# Altium PCB LF_Light_BluClassic.PcbDoc (part 1 of 2) (continued)
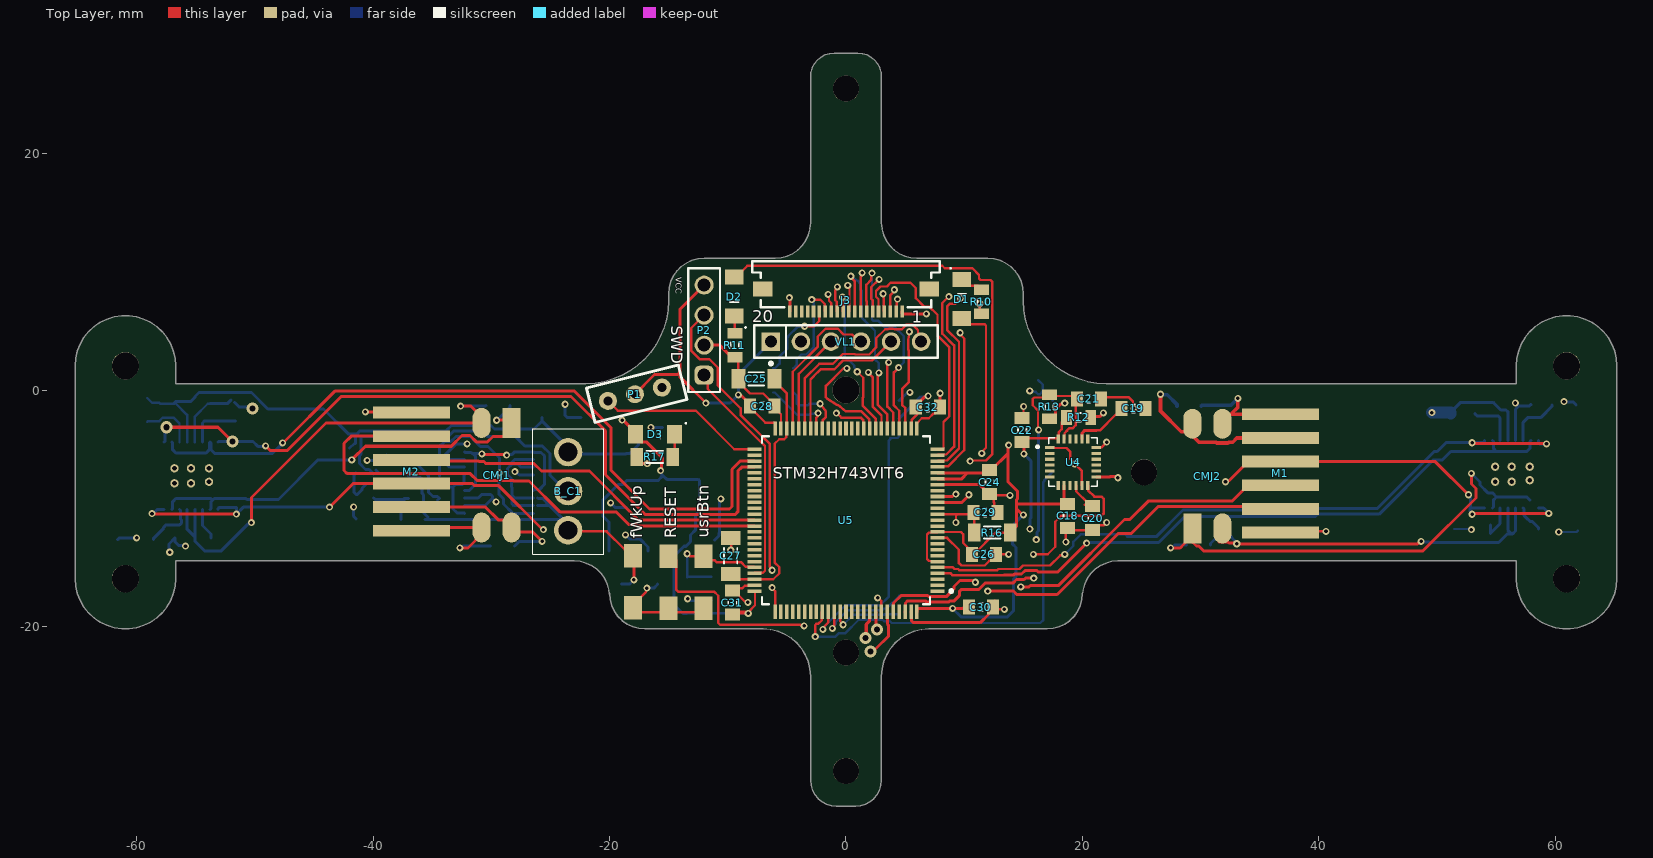
[diagram p0: Top Layer view]
## Design rules (kind name [scope] priority, off if disabled: settings) (continued)
PolygonConnect PolygonConnect_10mil [HasFootprint('D0603') or HasFootprint('0402') or HasFootprint('D0603R') or HasFootprint('D0603G') or HasFootprint('D0603B') or HasFootprint('D0603Y') or HasFootprint('0402R') or HasFootprint('0402C')] p10: connectstyle=Relief reliefconductorwidth=0.254 reliefentries=4 polygonreliefangle="90 Angle" airgapwidth=0.254
PolygonConnect PolygonConnect_NoConnect [HasFootprint('SFT01') or HasFootprint('SW-2') or HasFootprint('SW-4') or HasFootprint('SW-6') or HasFootprint('SW-8') or HasFootprint('SOT-223') or HasFootprint('SOT-223_')] p11: connectstyle=NoConnect reliefconductorwidth=0.381 reliefentries=4 polygonreliefangle="90 Angle" airgapwidth=0.254
PolygonConnect [All] p12: connectstyle=Relief reliefconductorwidth=0.508 reliefentries=4 polygonreliefangle="90 Angle" airgapwidth=0.254
RoutingVias [All] p1: holewidth=0.508 width=1.016 viastyle="Through Hole" minholewidth=0.3 minwidth=0.6 maxholewidth=3 maxwidth=4
SilkToSilkClearance [All] p1: silktosilkclearance=0.025
SilkToSolderMaskClearance SilkscreenOverComponentPads [IsPad] p1: minsilkscreentomaskgap=0.025 clearancetoexposedcopper=TRUE
SolderMaskExpansion [All] p1: expansion=0.025 istentingtop=FALSE
Width Width_Ramka [HasFootprint('hole_frame') or HasFootprint('hole_frame1') or HasFootprint('Designator_blacking_B&T1') or HasFootprint('Designator_blacking_B&T2') or HasFootprint('Designator_blacking_B&T3') or HasFootprint('Designator_blacking_B&T4') or HasFootprint('Designator_blacking_B&T5')] p1: maxlimit=2.6 minlimit=0.254 preferedwidth=0.254
Width [All] p2: maxlimit=2.54 minlimit=0.203 preferedwidth=0.254
21 further rules are at their usual default settings.

## Classes and differential pairs
component class "Power input": B_C1 C1 C2 C3 C4 C5 C6 fWkUp IC1 J1 J2 R1 R2 R3 R4 U1
net class ADC1_[0..11]: ADC1_0 ADC1_1 ADC1_2 ADC1_3 ADC1_4 ADC1_5 ADC1_6 ADC1_7 ADC1_8 ADC1_9 ADC1_10 ADC1_11
component class "Motor Drivers": C7 C8 C9 C10 C11 C12 C13 C14 C15 C16 CMJ1 CMJ2 M1 M2 R5 R6 R7 R8 U2 U3
component class Microcontroller: C24 C25 C26 C27 C28 C29 C30 C31 C32 D3 P2 R14 R15 R16 R17 RESET U5
component class Peripherials: BluC1 C17 C18 C19 C20 C21 C22 C? D1 D2 J3 P1 R9 R10 R11 R12 R13 R? U4 usrBtn VL1

## Components (designator, comment, footprint, x,y, rotation, side; value= is the part's Value field where it differs from the comment)
B_C1 "Battery_Connector" WTYCZKANABATERIE -23.5,-8.55 r90 top
BluC1 "BLUETOOTH-SERIAL-HC-06" XCVR_BLUETOOTH-SERIAL-HC-06 11,-12.4 r0 bottom locked
C1 "100n" 0805C -41.45,-10.85 r90 bottom
C2 "100n" 0805C -37.382,-10.75 r0 bottom
C3 "100n" 0805C -17.55,-3.15 r0 bottom
C4 "47u-10V" 3528-SMDB -25.702,-2.3 r0 bottom
C5 "47u-10V" 3528-SMDB -20.05,-13.6 r0 bottom
C6 "100n" 0805C -13.15,-12.7 r0 bottom
C7 "470n" 0805C -28.4,-1.3 r180 bottom
C8 "470n" 0805C -28.018,-13.2 r180 bottom
C9 "2u2-6V3" 0805C -51.7,-3.082 r90 bottom
C10 "100n" 0805C -59.1,-2.7 r90 bottom
C11 "10u-16V" 3216-SMDA -56.85,-1.15 r0 bottom
C12 "470n" 0805C 28.8,-13.1 r0 bottom
C13 "470n" 0805C 28,-1.35 r0 bottom
C14 "2u2-6V3" 0805C 59.718,-1.25 r0 bottom
C15 "100n" 0805C 53.182,-2 r180 bottom
C16 "10u-16V" 3216-SMDA 54.9,-1.2 r0 bottom
C17 "100n" 0805C -11.4,-15.8 r270 bottom
C18 "100n" 0805C 18.75,-9.618 r270 top
C19 "2n2" 0805C 23.3,-1.55 r0 top
C20 "100n" 0805C 20.85,-9.818 r270 top
C21 "22p" 0805C 19.518,-0.75 r0 top
C22 "22p" 0805C 14.9,-4.4 r90 top
C24 "100n" 0805C 12.15,-6.768 r270 top
C25 "2.2uF" 1206C -9.1,0.95 r0 top
C26 "100n" 0805C 10.668,-13.9 r0 top
C27 "2.2uF" 1206C -9.75,-12.502 r270 top
C28 "100n" 0805C -8.1,-1.35 r0 top
C29 "100n" 0805C 10.768,-10.35 r0 top
C30 "100n" 0805C 10.4,-18.35 r0 top
C31 "100n" 0805C -9.6,-19 r90 top
C32 "100n" 0805C 5.9,-1.45 r0 top
CMJ1 "CMJ2101" CMJ2101 -29.55,-7.2 r270 top
CMJ2 "CMJ2101" CMJ2101 30.57,-7.275 r90 top
D1 "n.m." D1206 9.8,9.35 r270 top
D2 "n.m." D1206 -9.45,6.248 r90 top
D3 "n.m." D1206 -14.5,-3.75 r180 top
fWkUp "Switch" TactSwitch4_2 -18,-16.2 r0 top (schematic designator S1)
IC1 "TC2120" SOT23-6 -35.7,-8.2 r270 bottom
J1 "8205A" TSSOP8 -29.35,-9.45 r180 bottom
J2 "8205A" TSSOP8 -29.35,-6.2 r180 bottom
J3 "Line Sensor module communication connector" 687120183722 0,8.95 r180 top locked
M1 "POLOLU_Motor1" PCBCOMPONENT_1 56.75,-6.55 r0 top locked
M2 "POLOLU_Motor2" PCBCOMPONENT_1 -56.75,-7.4 r180 top locked
P1 "Receiver IR TSOP2236" TSOP2236FP -20.13,-0.919 r14 top
P2 "SWD Debug probe" 61300411121 -12,5.07 r90 top
R1 "n.m" 1206R -19,-16.4 r0 bottom
R2 "330R-1%" 0805R -42,-4.9 r270 bottom
R3 "330R-1%" 0805R -39.95,-7.1 r270 bottom
R4 "2k-1%" 0805R -38.85,-5.6 r0 bottom
R5 "0.1" 1206R -53.7,-12.5 r180 bottom
R6 "0.1" 1206R -58.552,-12.65 r180 bottom
R7 "0.1" 1206R 58.85,-11.9 r0 bottom
R8 "0.1" 1206R 54.5,-11.75 r180 bottom
R9 "10k-1%" 1206R -13.45,-18.898 r90 bottom
R10 "3k-1%" 0805R 11.45,8.5 r270 top
R11 "3k-1%" 0805R -9.4,4.8 r270 top
R12 "3k-1%" 0805R 20.682,-2.3 r180 top
R13 "3k-1%" 0805R 17.2,-2.432 r90 top
R14 "10k-1%" 0805R -4.45,-0.182 r90 bottom
R15 "10k-1%" 0805R -6.15,1.832 r270 bottom
R16 "10k-1%" 1206R 13.9,-12.05 r180 top
R17 "470R-1%" 1206R -14.65,-5.65 r180 top
RESET "Switch" TactSwitch4_2 -15,-16.25 r0 top (schematic designator S3)
U1 "LM1117MP-3.3/NOPB" DCY0004A_L -15.475,-7.65 r0 bottom locked
U2 "DRV8833PWPBYT" DRV8833PWPBYTEOR -55.4,-7.25 r90 bottom
U3 "DRV8833PWPBYT" DRV8833PWPBYTEOR 56.3,-7.115 r90 bottom
U4 "MPU-6050" QFN50P400X400X95-24N 19.2,-6.1 r0 top
U5 "STM32H743VIT6" FP-LQFP100-1L-MFG 0,-11 r180 top locked
usrBtn "Switch" TactSwitch4_2 -12.05,-16.25 r0 top (schematic designator S2)
VL1 "VL53L0X_Conn" FP-22-28-4060-MFG 0,4.1 r0 top locked

## Footprints (in the part's own frame and the unit in brackets; to place one, negate y for a bottom-side part, rotate by r counter-clockwise, add the part's x,y. Pads: shape width x height; smd on the part's side, far side on the other; paste and mask are expansions set on the pad)
0805C [mil]
  rect 40x50 smd mask+1: 1(0,0) 2(80,0)
  silkscreen extent 35,-14 45,14, body extent -1,-27 81,27, height 53
0805R [mil]
  rect 35x50 smd mask+1: 1(0,0) 2(80,0)
  silkscreen extent 31,-14 49,14, body extent 1,-25 79,25, height 23
1206C [mil]
  rect 47x64 smd mask+1: 1(0,0) 2(120,0)
  silkscreen extent 34,-22 86,22, body extent -3,-33 123,33, height 67
1206R [mil]
  rect 42x60 smd mask+1: 1(0,0) 2(120,0)
  silkscreen extent 32,-20 88,20, body extent -3,-31 123,31, height 24
3216-SMDA [mil]
  rect 62x48 smd mask+1: 1(0,0) 2(120,0)
  silkscreen extent -39,-49 46,21, body extent -7,-32 127,31, height 65
3528-SMDB [mil]
  rect 64x90 smd mask+1: 1(0,0) 2(130,0)
  silkscreen extent -39,-69 47,33, body extent -8,-58 138,58, height 80
61300411121 [mm] "Pin Header, pitch 2.54 mm, THT, Vertical, single row, 4p"
  rrect50% 1.6x1.6 hole 1.1: 1(-3.81,0)
  round 1.6 hole 1.1: 2(-1.27,0) 3(1.27,0) 4(3.81,0)
  silkscreen extent -5.23,-1.35 5.23,1.35, body extent -5.08,-1.27 5.08,1.27, height 8.57
687120183722 [mm] "ZIF Connectors, Horizontal, Bottom Contact Low Profile, pitch 0.5mm, 20p"
  rect 0.3x1 smd: 1(-4.75,2.3) 2(-4.25,2.3) 3(-3.75,2.3) 4(-3.25,2.3) 5(-2.75,2.3) 6(-2.25,2.3) 7(-1.75,2.3) 8(-1.25,2.3) 9(-0.75,2.3) 10(-0.25,2.3) 11(0.25,2.3) 12(0.75,2.3) 13(1.25,2.3) 14(1.75,2.3) 15(2.25,2.3) 16(2.75,2.3) 17(3.25,2.3) 18(3.75,2.3) 19(4.25,2.3) 20(4.75,2.3)
  rect 1.65x1.3 smd: MP1(-7.025,0.4) MP2(7.025,0.4)
  silkscreen extent -7.92,-1.95 7.93,1.95, body extent -7.85,-1.9 7.85,2.35, height 1.28
CMJ2101 [mil]
  rect 100x60 smd: 1(-174.2,50)
  oval 100x60 smd: 2(-174.2,-50) 3(174.2,-50) 4(174.2,50)
  body extent -169,-87 163,94, height 197
D1206 [mil]
  rect 50x62 smd mask+1: 1(0,0) 2(130,0)
  silkscreen extent -39,-39 48,14, body extent 2,-31 128,32, height 43
DCY0004A_L [mm] "SOT223, 4-Leads, Body 6.7x3.7mm, Pitch 2.3mm, IPC High Density"
  rrect11% 1.45x0.9 smd: 1(-3.075,2.3) 2(-3.075,0) 3(-3.075,-2.3)
  rrect7% 1.45x3.15 smd: 4(3.075,0)
  silkscreen extent -3.2,-3.35 2.05,3.42, body extent -3.5,-3.25 3.5,3.25, height 1.62
DRV8833PWPBYTEOR [mm]
  rrect25% 1.2x0.4 smd: 1(-2.85,2.275) 2(-2.85,1.625) 3(-2.85,0.975) 4(-2.85,0.325) 5(-2.85,-0.325) 6(-2.85,-0.975) 7(-2.85,-1.625) 8(-2.85,-2.275) 9(2.85,-2.275) 10(2.85,-1.625) 11(2.85,-0.975) 12(2.85,-0.325) 13(2.85,0.325) 14(2.85,0.975) 15(2.85,1.625) 16(2.85,2.275)
  round 0.7 hole 0.4: 17(-0.635,-1.397) 17(-0.635,0) 17(-0.508,1.524) 17(0.635,-1.397) 17(0.635,0) 17(0.635,1.524)
  rrect50% 2.5x4.5 smd: 17(0,0)
  silkscreen extent -2.92,-2.54 1.65,3.17, body extent -3.21,-2.5 3.21,2.5, height 0.98
FP-22-28-4060-MFG [mm]
  rect 1.57x1.57 hole 1.02 paste-1000 mask+0: 1(-6.35,0)
  round 1.57 hole 1.02 paste-1000 mask+0: 2(-3.81,0) 3(-1.27,0) 4(1.27,0) 5(3.81,0) 6(6.35,0)
  silkscreen extent -7.75,-1.97 7.75,1.37, body extent -7.85,-1.47 7.85,1.47, height 0.25
FP-LQFP100-1L-MFG [mm]
  rect 1.2x0.3 smd paste+0 mask+0: 1(-7.75,6) 2(-7.75,5.5) 3(-7.75,5) 4(-7.75,4.5) 5(-7.75,4) 6(-7.75,3.5) 7(-7.75,3) 8(-7.75,2.5) 9(-7.75,2) 10(-7.75,1.5) 11(-7.75,1) 12(-7.75,0.5) 13(-7.75,0) 14(-7.75,-0.5) 15(-7.75,-1) 16(-7.75,-1.5) 17(-7.75,-2) 18(-7.75,-2.5) 19(-7.75,-3) 20(-7.75,-3.5) 21(-7.75,-4) 22(-7.75,-4.5) 23(-7.75,-5) 24(-7.75,-5.5) 25(-7.75,-6) 51(7.75,-6) 52(7.75,-5.5) 53(7.75,-5) 54(7.75,-4.5) 55(7.75,-4) 56(7.75,-3.5) 57(7.75,-3) 58(7.75,-2.5) 59(7.75,-2) 60(7.75,-1.5) 61(7.75,-1) 62(7.75,-0.5) 63(7.75,0) 64(7.75,0.5) 65(7.75,1) 66(7.75,1.5) 67(7.75,2) 68(7.75,2.5) 69(7.75,3) 70(7.75,3.5) 71(7.75,4) 72(7.75,4.5) 73(7.75,5) 74(7.75,5.5) 75(7.75,6)
  rect 0.3x1.2 smd paste+0 mask+0: 26(-6,-7.75) 27(-5.5,-7.75) 28(-5,-7.75) 29(-4.5,-7.75) 30(-4,-7.75) 31(-3.5,-7.75) 32(-3,-7.75) 33(-2.5,-7.75) 34(-2,-7.75) 35(-1.5,-7.75) 36(-1,-7.75) 37(-0.5,-7.75) 38(0,-7.75) 39(0.5,-7.75) 40(1,-7.75) 41(1.5,-7.75) 42(2,-7.75) 43(2.5,-7.75) 44(3,-7.75) 45(3.5,-7.75) 46(4,-7.75) 47(4.5,-7.75) 48(5,-7.75) 49(5.5,-7.75) 50(6,-7.75) 76(6,7.75) 77(5.5,7.75) 78(5,7.75) 79(4.5,7.75) 80(4,7.75) 81(3.5,7.75) 82(3,7.75) 83(2.5,7.75) 84(2,7.75) 85(1.5,7.75) 86(1,7.75) 87(0.5,7.75) 88(0,7.75) 89(-0.5,7.75) 90(-1,7.75) 91(-1.5,7.75) 92(-2,7.75) 93(-2.5,7.75) 94(-3,7.75) 95(-3.5,7.75) 96(-4,7.75) 97(-4.5,7.75) 98(-5,7.75) 99(-5.5,7.75) 100(-6,7.75)
  silkscreen extent -9.03,-7.1 7.1,7.1, body extent -8.45,-8.45 8.45,8.45, height 0.25
PCBCOMPONENT_1 [mm]
  rect 6.5x1 smd: 1(-20,-5.5) 2(-20,-3.5) 3(-20,-1.5) 4(-20,0.5) 5(-20,2.5) 6(-20,4.5)
  body extent -21.75,-15.4 25.19,14.6, height 19.75
QFN50P400X400X95-24N [mm]
  rect 0.79x0.26 smd: 1(-1.97,1.25) 2(-1.97,0.75) 3(-1.97,0.25) 4(-1.97,-0.25) 5(-1.97,-0.75) 6(-1.97,-1.25) 13(1.97,-1.25) 14(1.97,-0.75) 15(1.97,-0.25) 16(1.97,0.25) 17(1.97,0.75) 18(1.97,1.25)
  rect 0.26x0.79 smd: 7(-1.25,-1.97) 8(-0.75,-1.97) 9(-0.25,-1.97) 10(0.25,-1.97) 11(0.75,-1.97) 12(1.25,-1.97) 19(1.25,1.97) 20(0.75,1.97) 21(0.25,1.97) 22(-0.25,1.97) 23(-0.75,1.97) 24(-1.25,1.97)
  silkscreen extent -3.1,-2.05 2.05,2.05
SOT23-6 [mm]
  rect 0.55x1.2 smd: 1(-0.95,-1.3) 2(0,-1.3) 3(0.95,-1.3) 4(0.95,1.3) 5(0,1.3) 6(-0.95,1.3)
  silkscreen extent -1.42,-0.81 1.42,0.81
TactSwitch4_2 [mm]
  rect 1.524x2 smd: 1(0,2.2) 2(0,-2.2)
  body extent -1.4,-2 1.4,2, height 3
TSOP2236FP [mil]
  round 60 hole 30: 1(0,0) 2(92.52,0) 3(185.04,0)
  silkscreen extent -59,-59 256,59
TSSOP8 [mm]
  rect 1.2x0.35 smd: 1(-2.925,0.975) 2(-2.925,0.325) 3(-2.925,-0.325) 4(-2.925,-0.975) 5(2.925,-0.975) 6(2.925,-0.325) 7(2.925,0.325) 8(2.925,0.975)
  silkscreen extent -2.15,-1.4 2.15,1.4
WTYCZKANABATERIE [mm]
  round 2.4 hole 1.6: 1(3.302,0) 2(0,0) 3(-3.302,0)
  silkscreen extent -5.33,-3 5.3,3
XCVR_BLUETOOTH-SERIAL-HC-06 [mm]
  rect 1x1 smd: 1(-6.5,6.5) 2(-6.5,5) 3(-6.5,3.5) 4(-6.5,2) 5(-6.5,0.5) 6(-6.5,-1) 7(-6.5,-2.5) 8(-6.5,-4) 9(-6.5,-5.5) 10(-6.5,-7) 11(-6.5,-8.5) 12(-6.5,-10) 13(-6.5,-11.5) 14(-5.25,-13.25) 15(-3.75,-13.25) 16(-2.25,-13.25) 17(-0.75,-13.25) 18(0.75,-13.25) 19(2.25,-13.25) 20(3.75,-13.25) 21(5.25,-13.25) 22(6.5,-11.5) 23(6.5,-10) 24(6.5,-8.5) 25(6.5,-7) 26(6.5,-5.5) 27(6.5,-4) 28(6.5,-2.5) 29(6.5,-1) 30(6.5,0.5) 31(6.5,2) 32(6.5,3.5) 33(6.5,5) 34(6.5,6.5)
  silkscreen extent -7.6,-13.25 6.5,13.45, body extent -6.48,-13.21 6.48,13.46, height 2

## Part data
BluC1: "Bluetooth Modules (802.15.1) BLUETOOTH-SERIAL-HC-06", Package=None, Availability="Not in stock", Check_prices=https://www.snapeda.com/parts/BLUETOOTH-SERIAL-HC-06/Olimex/view-part/?ref=eda, MF=Olimex, MP=BLUETOOTH-SERIAL-HC-06, Price=None, SnapEDA_Link=https://www.snapeda.com/parts/BLUETOOTH-SERIAL-HC-06/Olimex/view-part/?ref=snap
C1 C2 C3 C6 C7 C8 C10 C12 C13 C15 C17 C18 C20 C29: library part "100n  0805", "Kond. ceramiczny X7R  50V  10%", Indeks=5566, Nazwa=100n
C4 C5: library part "47u-10V  3528", "Kond. tantalowy  B  10V  20%", Indeks=4032, Nazwa=47u-10V
C9 C14: library part "2u2-6V3  0805", "Kond. ceramiczny X7R  6V3  10%", Indeks=20978, Nazwa=2u2-6V3
C11 C16: library part "10u-16V  3216", "Kond. tantalowy  A  16V  20%", Indeks=12471, Nazwa=10u-16V
C19: library part "2n2  0805", "Kond. ceramiczny X7R  50V  10%", Nazwa=2n2
C21 C22: library part "22p  0805", "Kond. ceramiczny NP0  50V", Nazwa=22p
C24 C26 C28 C30 C31 C32: library part "10n  0805", "Kond. ceramiczny X7R  50V  10%", Nazwa=10n
C25 C27: library part Cap_2.2uF_X7R_10%_1206, "Capacitor,2.2uF,16V, X7R,10%,1206,YAGEO", Manuf_1=YAGEO, Manuf_2=KEMET, Manuf_Part_1=CC1206KKX7R7BB225, Manuf_Part_2=C1206C225K4RAC, ECCN_US/EU=n/a, Order=CC1206KKX7R7BB225, Revision="July-2002: Re-released for DXP Platform."
D1 D2 D3: library part "n.m.  D1206", "Dioda LED", Index=-, Nazwa=n.m.
fWkUp RESET usrBtn: library part TactSwitch
IC1: "Pushbutton Switch SPST-NC Standard Panel Mount, Front", Package="Package Analog Devices", Availability=Unavailable, ComponentLink1Description=https://abc-rc.pl/pl/products/modul-bms-pcm-pcb-ladowania-i-ochrony-ogniw-li-ion-2s-8-4v-5a-18650-7891.html, ComponentLink1URL="Taken directly from this component", MF="Fortune Semiconductor", MP=DW01A, Price=None, SnapEDA_Link=https://www.snapeda.com/parts/DW01A/Fortune%20Semiconductor/view-part/4388554/?ref=snap
J1 J2: Package=None, Availability="In Stock", Check_prices=https://www.snapeda.com/parts/8205A/EMI/view-part/6619087/?ref=eda, MF=onsemi, MP=8205A, Price=None, Purchase-URL=https://pricing.snapeda.com/search/part/8205A/?ref=eda, SnapEDA_Link=https://www.snapeda.com/parts/8205A/EMI/view-part/6619087/?ref=snap
J3: library part CMP-1502-01579-1, "SMT ZIF Connectors Low Profile WR-FPC, Horizontal, Bottom Contact, pitch 0.5 mm, 20 pins", Contact Resistance=30mOhm, Manufacturer="Wurth Elektronik", Operating Temperature=-25to85degC, Package Reference=687120183722, Rated Current=0.4A, Withstanding Voltage=250VAC, Working Voltage=50VAC, Contact Design=BottomContact, Datasheet URL=https://katalog.we-online.de/em/datasheet/687120183722.pdf, Manufacturer URL=http://www.we-online.de, Mounting Technology=SMT, Orientation=Horizontal, Packaging=TapeandReel, Part Number=687120183722, Pin Number=20, Pitch=0.5mm, Publisher=WurthElektronik
M1 M2: library part Silnikpololuenkoderyiklamra
P1: library part TSOP2236, "IR signal Receiver"
P2: library part CMP-1502-01064-2, Color=Black, Contact Resistance=20mΩ, Current Rating=3A, Max Operating Temperature=105°C, Min Operating Temperature=-40°C, Operating Supply Voltage=250V, Connector Type="Male Pin", Contact Material=Copper, Contact Mating Length=5.9944mm, Contact Plating=Gold, Gender=Male, Height=8.89mm, Lead Free="Lead Free", Lead Pitch=2.54mm, Mount="Through Hole", NexarPartId=32855522, Number of Contacts=4, Number of Pins=4, Number of Positions=4, Number of Rows=1, Orientation=Vertical, Packaging=Bulk, Pitch=2.54mm, REACH SVHC=Unknown, RoHS=Compliant, Termination=Solder, Voltage Rating=250V
R1: library part "0R  1206", "Rezystor 0,25W  2A ( 10A max )  < 0R05  200V", Nazwa=0R
R2 R3: library part "330R-1%  0805", "Rezystor 0,125W", Nazwa=330R-1%
R4: library part "2k-1%  0805", "Rezystor 0,125W", Nazwa=2k-1%
R5 R6 R7 R8: library part "0R12-1%  1206", "Rezystor 0,25W", Nazwa=0R12-1%
R9 R16: library part "10k-1%  1206", "Rezystor 0,25W", Nazwa=10k-1%
R10 R11 R12 R13: library part "3k-1%  0805", "Rezystor 0,125W", Nazwa=3k-1%
R14 R15: library part "10k-1%  0805", "Rezystor 0,125W", Nazwa=10k-1%
R17: library part "470R-1%  1206", "Rezystor 0,25W", Nazwa=470R-1%
U1: library part CMP-0062-01638-4, "800mA Low-Dropout Linear Regulator, 4-pin SOT-223, Pb-Free", Manufacturer="Texas Instruments", PackageTopMarking=XYTT*N05A, PowerWise=N, Code_IPC=SOT223-4, Code_JEDEC=TO-261-AA, ComponentLink1Description="Datasheet URL", ComponentLink1URL=http://www.ti.com/general/docs/lit/getliterature.tsp?genericPartNumber=LM1117-N&fileType=pdf, CompType="LDO IC", High-Reliability=Y, PackageDescription="Molded SOT-223, 6.50 x 3.56 x 1.6mm Body, 4 Lead, 2.3mm Pitch", PackageReference=DCY0004A, PartNumber=LM1117MP-3.3/NOPB, PinCount=4, RoHS=Y
U2 U3: "Mostek caly by TEOR"
U4: "Accelerometer, Gyroscope, 6 Axis Sensor IÂ²C Output", Package="VFQFN-24 TDK InvenSense", Availability=Unavailable, MF="TDK InvenSense", MP=MPU-6050, Price=None, SnapEDA_Link=https://www.snapeda.com/parts/MPU-6050/TDK%20InvenSense/view-part/4503180/?ref=snap
U5: library part CMP-12105-000050-1, "IC MCU 32BIT 2MB FLASH 100LQFP", Ambient Temperature Range High=+85°C, Ambient Temperature Range Low=-40°C, Frequency=480MHz, Manufacturer=STMicroelectronics, Max Junction Temp=+125°C, Max Supply Voltage=3.6V, Min Supply Voltage=1.71V, Package=LQFP100-1L, Temperature="-40°C to +125°C", Automotive=No, Category=IC, ComponentLink2Description=Datasheet, ComponentLink2URL=https://www.st.com/resource/en/datasheet/stm32h743vi.pdf, Core Architecture="Arm Cortex-M7", Data Bus Width=32bits, Device Class L1="Integrated Circuits (ICs)", Device Class L2="Embedded Processors and Controllers", Device Class L3=Microcontrollers, Digikey Description="IC MCU 32BIT 2MB FLASH 100LQFP", Height=1.6mm, Interface=I2C,SPI,UART,USART,USB,LIN,IrDA,Ethernet,I2S,Other, Ipc Land Pattern Name=QFP50P1600X1600X160-100, Lead Free=Yes, Manufacturer Part Number=STM32H743VIT6, Memory Size=2MBytes, Memory Type=FLASH, Number Of A/D Converters=3, Number Of Adc Channels=36, Number Of Cores=1, Number Of Ethernet Channels=1, Number Of I2C Channels=4, Number Of I/Os=82, Number Of Pwm Channels=42, Number Of Spi Channels=6, Number Of Timers/Counters=20, Number Of Uart Channels=9, Number Of Usb Channels=2, Octopart=https://octopart.com/stm32h743vit6-stmicroelectronics-76372527, Ram Size=1060KBytes, RoHS=TRUE, Standoff Height=0.05mm, Temperature Range High=+125°C, Temperature Range Low=-40°C
VL1: library part CMP-04776-000763-1, "CONN HEADER VERT 6POS 2.54MM", Color=Black, Contact Resistance=20mR, Current Rating=4A, Max Operating Temperature=75°C, Max Voltage Rating (AC)=250V, Max Voltage Rating (DC)=250.25kV, Min Operating Temperature=0°C, Package Quantity=1, Connector Type="Male Pin", Contact Material=Brass, Contact Mating Length=0.24inch, Contact Plating=Tin, Contact Type="Male Pin", Depth=2.49mm, Gender=Male, Housing Color=Black, Housing Material=Thermoplastic, Length=15.24mm, Mount="Through Hole", Number of Contacts=6, Number of Positions=6, Number of Rows=1, Orientation=Straight, Packaging=Bulk, Pitch=2.54mm, RoHS Compliant=Yes, Series="KK® 42375", Termination=Solder, Voltage Rating=250V

## Free pads (board coordinates)
  round 2.3 hole 2.3: 1(-60.95,-15.95) 1(-60.95,2.05) 1(0,0) 1(60.95,-15.95) 1(60.95,2.05)
  round 2.2 hole 2.2: 1(0,-32.2) 1(0,-22.2) 1(0,25.5) 1(25.2,-6.95)

## Via types
v1: diameter 0.6, hole 0.3, Top Layer to Bottom Layer, tented both sides, 131 vias
v2: diameter 1.016, hole 0.508, Top Layer to Bottom Layer, tented both sides, 6 vias

## Nets (pads, with @x,y where several pads share a name; then routed paths per layer and width w, separated by ;. In a path a pad name is that pad's centre, name@x,y a point inside that pad or via, vN(x,y) a via of type N, cw(c..) or ccw(c..) an arc to the next point about the centre after c; other vN are vias at no path point)
ADC1_0: J3.2 U5.22 | length 20.5
  Top Layer w0.203: J3.2@4.25,6.65 4.298,6.698 4.298,7.644 v1(4.355,7.7) ; U5.22@7.75,-6.5 7.798,-6.452 8.624,-6.452 10,-5.075 10,4.35 9.65,4.7 v1(9.65,4.85)
  SignalLay w0.203: v1(4.355,7.7) 6.8,7.7 v1(9.65,4.85)
ADC1_1: J3.3 U5.23 | length 24.7
  Top Layer w0.203: J3.3@3.75,6.65 3.75,8.039 4.091,8.38 v1(4.091,8.487) ; U5.23@7.75,-6 7.798,-5.952 8.549,-5.952 9.554,-4.947 9.554,4.091 8.55,5.095 8.55,7.081 8.764,7.295 9.245,7.295 v1(9.7,7.75)
  SignalLay w0.203: v1(4.091,8.487) 4.198,8.487 4.556,8.845 6.9,8.845 8.449,7.295 9.245,7.295 v1(9.7,7.75)
ADC1_2: J3.4 U5.24 | length 23.7
  Top Layer w0.203: v1(3.145,8.145) 3.202,8.089 3.202,6.698 J3.4@3.25,6.65 ; U5.24@7.75,-5.5 7.798,-5.452 8.475,-5.452 9.148,-4.779 9.148,3.777 8.144,4.781 8.144,7.368 8.676,7.9 v1(8.7,7.9)
  SignalLay w0.203: v1(3.145,8.145) 3.2,8.2 3.2,8.75 3.975,9.525 7.075,9.525 v1(8.7,7.9)
ADC1_3: J3.5 U5.25 | length 21.4
  Top Layer w0.203: J3.5@2.75,6.65 2.75,7.685 2.54,7.895 2.54,8.396 2.906,8.762 3.459,8.762 3.789,9.092 5.437,9.092 5.898,8.631 5.898,7.775 6.602,7.071 7.034,7.071 7.738,6.368 7.738,4.612 8.742,3.608 8.742,-2.21 8.248,-2.703 8.248,-4.952 8.2,-5 U5.25@7.75,-5
ADC1_4: J3.6 U5.28 | length 18.2
  Top Layer w0.203: J3.6@2.25,6.65 2.25,7.611 2.134,7.726 2.134,8.709 2.792,9.366 v1(2.805,9.366) ; U5.28@5,-3.25 5,-1.5 4.75,-1.25 4.75,0.1 5.3,0.65 5.3,3.357 5.26,3.397 5.26,4.228 v1(5.369,4.935)
  SignalLay w0.203: v1(2.805,9.366) 2.25,8.812 2.25,6.85 3.15,5.95 4.355,5.95 5.369,4.937 v1(5.369,4.935)
ADC1_5: J3.7 U5.29 | length 19
  Top Layer w0.203: J3.7@1.75,6.65 1.75,7.536 1.728,7.558 1.728,8.914 2.124,9.31 2.124,9.824 v1(2.2,9.9) ; v1(4.45,1.9) 4.05,1.5 4.05,-1.3 4.5,-1.75 U5.29@4.5,-3.25
  Bottom Layer w0.203: v1(2.2,9.9) 2.2,5.969 2.319,5.85 2.75,5.85 3.25,5.35 4.101,5.35 4.9,4.551 4.9,2.35 v1(4.45,1.9)
ADC1_6: J3.8 U5.30 | length 19.8
  Top Layer w0.203: J3.8@1.25,6.65 1.25,9.59 1.284,9.623 1.284,9.831 v1(1.36,9.907) ; v1(3.6,2.35) 3.5,2.25 3.5,-1.4 4,-1.9 U5.30@4,-3.25
  SignalLay w0.203: v1(1.36,9.907) 1.36,9.8 1.726,9.433 1.726,5.874 2.2,5.4 4.051,5.4 4.9,4.551 4.9,4.35 4.95,4.3 4.95,3.699 v1(3.6,2.35)
ADC1_7: J3.9 U5.31 | length 17.5
  Top Layer w0.203: v1(0.409,9.631) 0.409,9.524 0.75,9.183 J3.9@0.75,6.65 ; v1@2.781,1.45 2.7,1.45 2.7,-1.25 3.5,-2.05 U5.31@3.5,-3.25
  Bottom Layer w0.203: v1(0.409,9.631) 0.516,9.631 0.88,9.268 0.959,9.268 1.198,9.029 1.198,8.554 1.352,8.399 1.352,6.098 1.55,5.9 1.576,5.9 2.45,5.026 2.45,2.6 2.782,2.268 v1(2.782,1.451)
ADC1_8: J3.10 U5.32 | length 16.6
  Top Layer w0.203: v1(0.145,8.86) 0.145,8.794 0.298,8.641 0.298,6.698 J3.10@0.25,6.65 ; v1(1.9,1.5) 1.9,1.45 2.25,1.1 2.25,-1.4 3,-2.15 U5.32@3,-3.25
  SignalLay w0.203: v1(0.145,8.86) 0.221,8.784 0.221,8.393 0.5,8.114 0.5,5.4 1.511,5.4 2.156,4.756 2.156,4.744 2.36,4.54 2.36,1.96 v1(1.9,1.5)
ADC1_9: J3.11 U5.33 | length 13.7
  Top Layer w0.203: v1(-0.306,7.85) -0.278,7.822 -0.278,6.678 J3.11@-0.25,6.65 ; v1(0.95,1.55) 1.455,1.045 1.455,-0.603 1.4,-0.657 1.4,-1.3 2.5,-2.4 U5.33@2.5,-3.25
  SignalLay w0.203: v1(0.95,1.55) v1@0.95,1.657
  Bottom Layer w0.203: v1(-0.306,7.85) -0.306,7.756 -0.1,7.55 -0.1,2.8 0.2,2.5 0.273,2.5 0.7,2.073 0.7,1.907 0.95,1.657 v1(0.95,1.55)
ADC1_10: J3.12 U5.34 | length 18.2
  Top Layer w0.203: J3.12@-0.75,6.65 -0.767,6.667 -0.767,7.455 -0.911,7.599 -0.911,8.441 -0.724,8.628 v1(-0.724,8.735) ; v1(0.076,1.842) 0.008,1.842 0,1.85 -0.207,1.85 -1.7,0.357 -1.7,-0.616 -1.581,-0.735 -0.763,-1.239 ccw(c0,0) -0.546,-1.348 -0.024,-1.8 1.301,-1.8 1.952,-2.451 1.952,-3.202 U5.34@2,-3.25
  SignalLay w0.203: v1(-0.724,8.735) -0.8,8.659 -0.8,8.212 -0.911,8.101 -0.911,5.361 -0.18,4.63 -0.18,3.649 -0.35,3.479 -0.35,2.272 0.076,1.846 v1(0.076,1.842)
ADC1_11: J3.13 U5.35 | length 16
  Top Layer w0.203: v1(-1.516,8.1) -1.44,8.024 -1.44,7.554 -1.25,7.364 J3.13@-1.25,6.65 ; v1(-0.81,-1.94) -0.49,-2.229 -0.371,-2.348 1.275,-2.348 1.452,-2.525 1.452,-3.202 U5.35@1.5,-3.25
  SignalLay w0.203: v1(-1.516,8.1) -2.55,7.066 -2.55,2.229 -1.455,1.133 -1.455,-1.295 v1(-0.81,-1.94)
BLU_ABN_MEM: BluC1.26 U5.84 | length 35.4
  Top Layer w0.203: v1(-2.6,-20.85) -2.6,-19.869 -2.481,-19.75 -2.323,-19.75 -2.048,-19.475 -2.048,-18.798 U5.84@-2,-18.75
  Bottom Layer w0.203: v1(-2.6,-20.85) -0.9,-20.85 -0.6,-20.55 -0.05,-20.55 1.081,-19.419 3.089,-19.419 3.222,-19.552 3.725,-19.552 3.875,-19.702 16.429,-19.702 16.698,-19.433 16.698,-7.775 16.782,-7.692 16.782,-7.618 BluC1.26@17.5,-6.9
BLU_RESET: BluC1.11 U5.85 | length 22.8
  Top Layer w0.203: v1(-1.955,-20.243) -1.955,-20.105 -1.5,-19.65 U5.85@-1.5,-18.75
  Bottom Layer w0.203: v1(-1.955,-20.243) -1.955,-20.135 -1.761,-19.941 -1.761,-19.911 -0.05,-18.2 2.9,-18.2 3.6,-17.5 3.6,-4.3 3.75,-4.15 3.75,-4.05 4.35,-4.05 BluC1.11@4.5,-3.9
ENK1_M1: M1.2 U5.92 | length 43.1
  Top Layer w0.254: v2(1.644,-20.966) 1.713,-20.897 1.713,-19.816 1.977,-19.552 1.977,-18.773 U5.92@2,-18.75 ; v1(11.987,-17) 14.159,-17 14.439,-17.28 17.866,-17.28 22.996,-12.15 24.1,-12.15 26.4,-9.85 36.55,-9.85 M1.2@36.75,-10.05
  SignalLay w0.254: v2(1.644,-20.966) 1.713,-20.897 1.713,-19.816 2.27,-19.259 3.141,-19.259 5.45,-16.95 9.3,-16.95 9.35,-17 v1(11.987,-17)
ENK1_M2: M2.2 U5.64 | length 44.9
  Top Layer w0.254: M2.2@-36.75,-3.9 -41.85,-3.9 -42.45,-4.5 -42.45,-6.8 -42.177,-7.073 -31.775,-7.073 -31.218,-7.63 -28.161,-7.63 -28.111,-7.68 -26.82,-7.68 -24.2,-10.3 -19.45,-10.3 -18.4,-11.35 -17.846,-11.35 -17.719,-11.477 -7.773,-11.477 U5.64@-7.75,-11.5
ENK2_M1: M1.3 U5.93 | length 40.8
  Top Layer w0.254: U5.93@2.5,-18.75 2.523,-18.773 2.523,-20.137 v2(2.618,-20.231) ; v1(14.78,-16.65) 15.481,-16.65 15.588,-16.543 17.957,-16.543 23.55,-10.95 24,-10.95 25.557,-9.393 32.657,-9.393 34,-8.05 M1.3@36.75,-8.05
  SignalLay w0.254: v2(2.618,-20.231) 2.689,-20.231 3.205,-19.716 3.4,-19.716 5.566,-17.55 11.646,-17.55 11.726,-17.63 12.248,-17.63 13.229,-16.65 v1(14.78,-16.65)
ENK2_M2: M2.3 U5.63 | length 31.1
  Top Layer w0.254: M2.3@-36.75,-5.9 -36.65,-6 -31.091,-6 -31.061,-6.03 -30.62,-6.03 -30.43,-6.22 -26.38,-6.22 -25.75,-6.85 -21.7,-6.85 -17.55,-11 U5.63@-7.75,-11